# Altium PCB ETRX_RECU.PcbDoc
Units mm, origin at the board's own origin, x right, y up, seen from the top; angles counter-clockwise.
Board outline 155 x 55 mm, 4 copper layers (Top Layer, PWR, GND, Bottom Layer), stack 1.45 mm thick; 71 components, 51 nets, 291 pads, 379 vias.
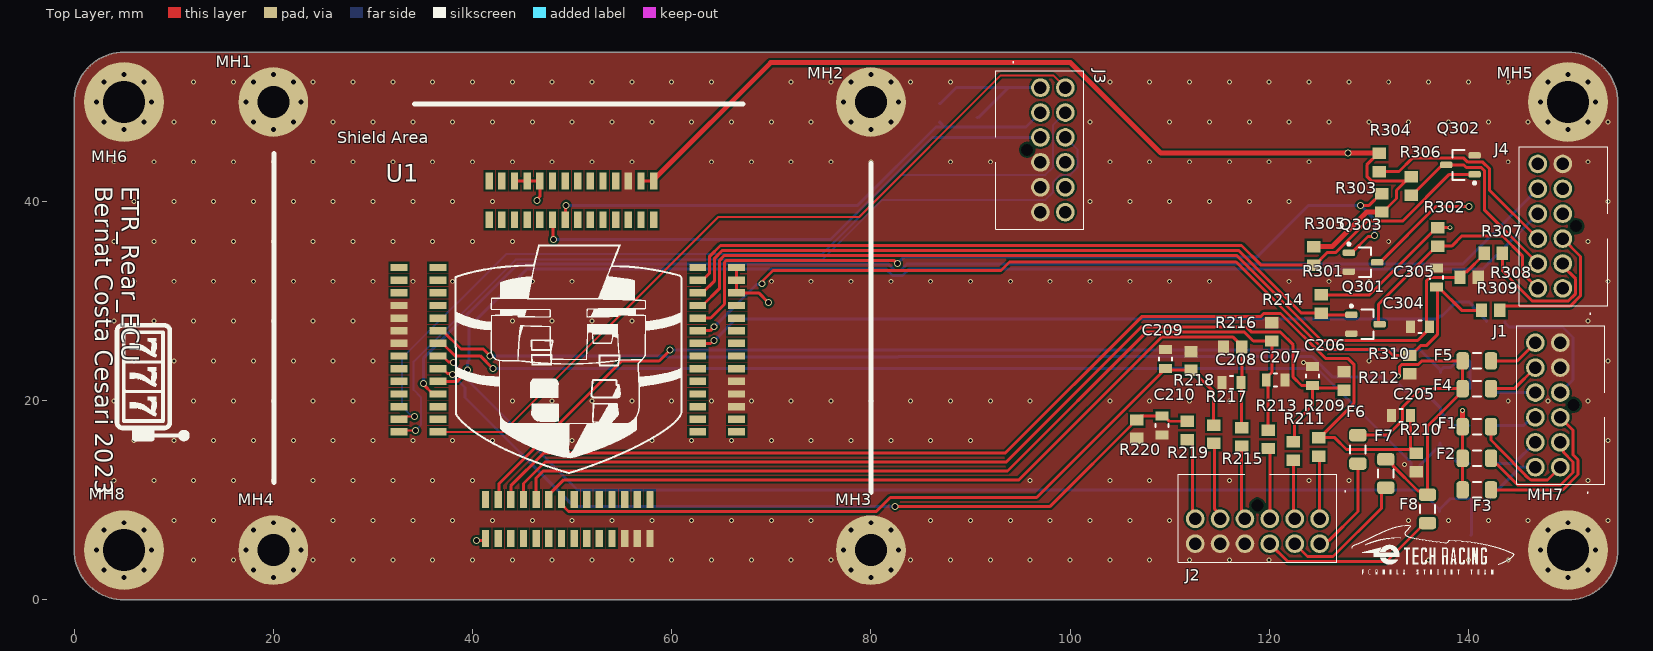
[diagram p0: Top Layer view]
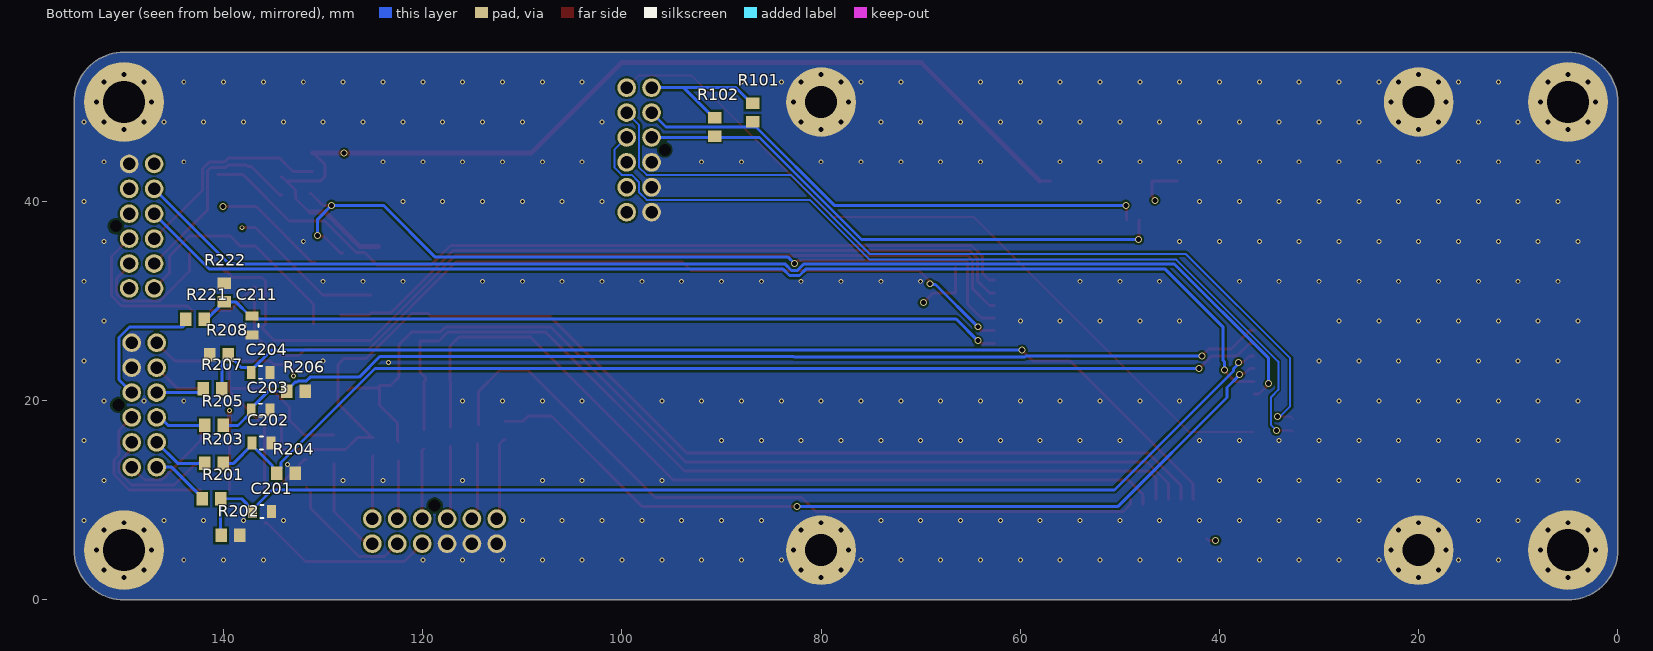
[diagram p1: Bottom Layer view, seen from below]
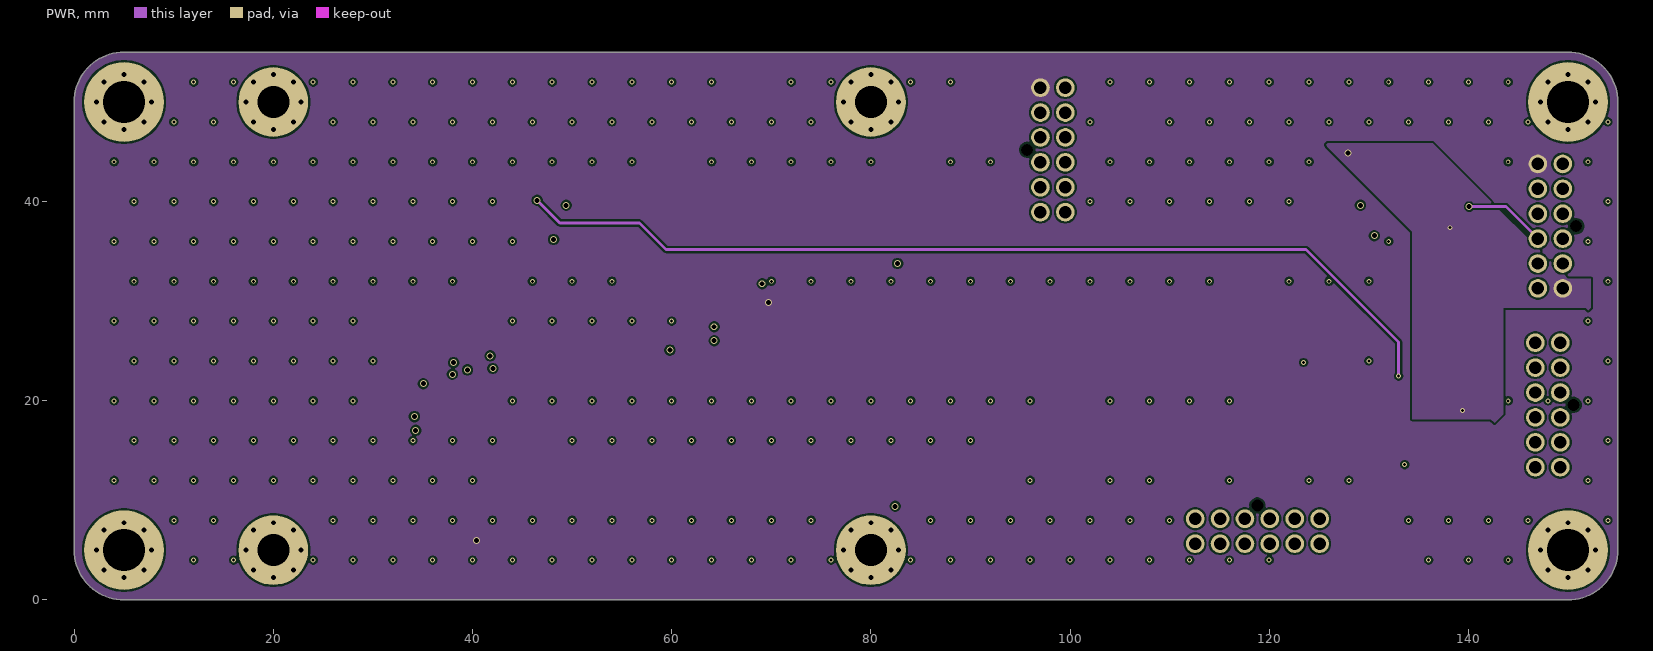
[diagram p2: PWR]
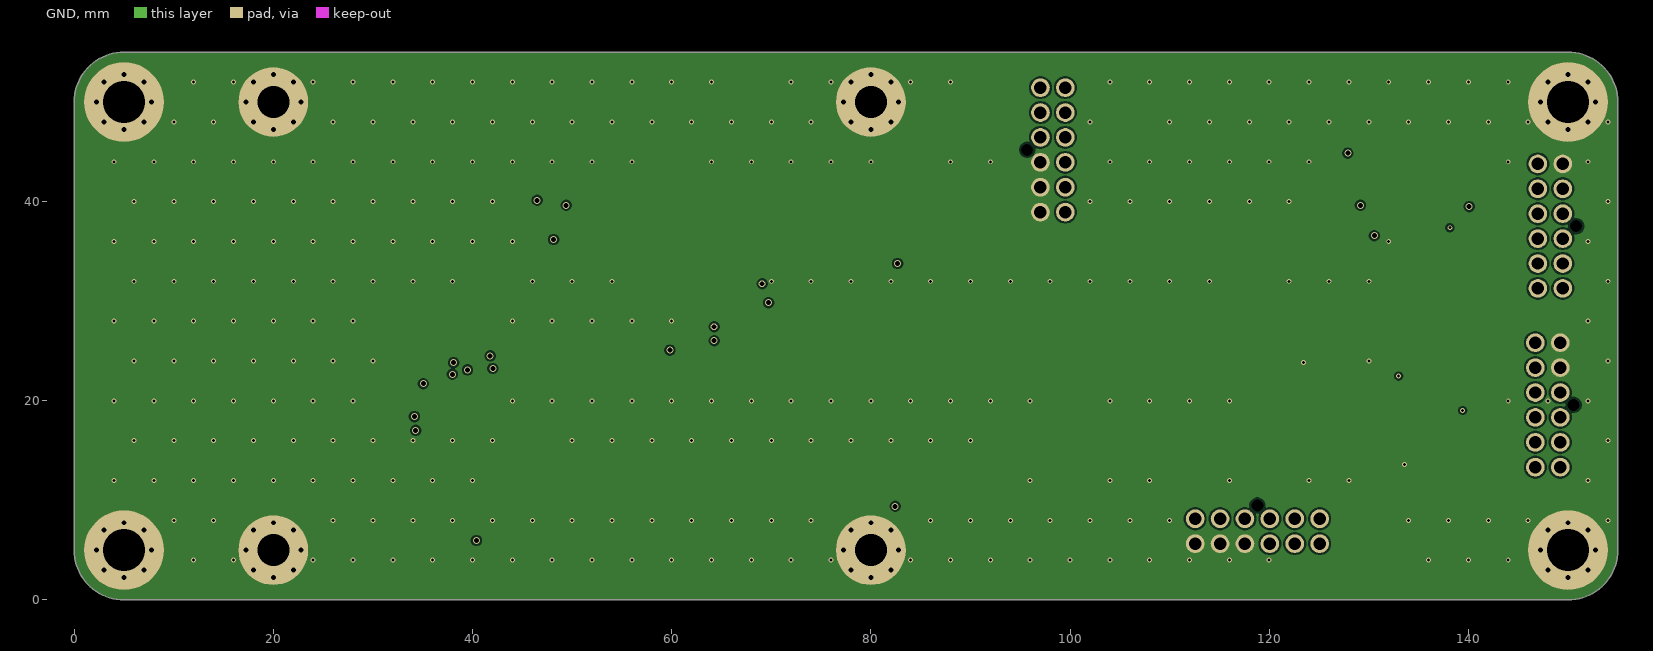
[diagram p3: GND]

## Layer stack, top to bottom
Top Solder: solder mask 0.01, Solder Resist, Dk 3.5
Top Layer: signal copper 0.035
Dielectric 2: prepreg 0.1, PP-006, Dk 4.1
PWR: signal copper 0.02
Dielectric 4: prepreg 0.07, PP-006, Dk 4.1
Dielectric 1: dielectric 1, FR-4, Dk 4.8
Dielectric 5: prepreg 0.07, PP-006, Dk 4.1
GND: signal copper 0.02
Dielectric 3: prepreg 0.1, PP-006, Dk 4.1
Bottom Layer: signal copper 0.035
Bottom Solder: solder mask 0.01, Solder Resist, Dk 3.5

## Board outline
5,0 cw(c5,5) 0,5 0,50 cw(c5,50) 5,55 150,55 cw(c150,50) 155,50 155,5 cw(c150,5) 150,0

## Design rules (kind name [scope] priority, off if disabled: settings)
Clearance [All] p1: gap=0.2 ignorepadtopadclearanceinfootprint=FALSE
HoleSize [All] p1: absolutevalues=TRUE maxlimit=2.54 minlimit=0.3 maxpercent=80.000 minpercent=20.000
PlaneClearance [All] p1: clearance=0.5
PlaneConnect [All] p1: planeconnectstyle=Direct reliefexpansion=0.508 reliefentries=4 reliefconductorwidth=0.254 reliefairgap=0.254
PolygonConnect [All] p1: connectstyle=Direct reliefconductorwidth=0.254 reliefentries=4 polygonreliefangle="90 Angle" airgapwidth=0.254
RoutingVias [All] p1: holewidth=0.3 width=0.5 viastyle="Through Hole" minholewidth=0.2 minwidth=0.3 maxholewidth=0.5 maxwidth=0.7
SolderMaskExpansion [All] p1: expansion=0.102 istentingtop=FALSE
Width [All] p1: maxlimit=1 minlimit=0.2 preferedwidth=0.3 minimp=50.000000 maximp=50.000000 favimp=50.000000
27 further rules are at their usual default settings.

## Classes and differential pairs
component class ETRX_RECU: F1 F2 F3 F4 F5 F6 F7 F8 J1 J2 J3 J4 MH1 MH2 MH3 MH4 MH5 MH6 MH7 MH8
component class [3]Power: C304 C305 Q301 Q302 Q303 R301 R302 R303 R304 R305 R306 R307 R308 R309 R310
component class [2]Sensors: C201 C202 C203 C204 C205 C206 C207 C208 C209 C210 C211 R201 R202 R203 R204 R205 R206 R207 R208 R209 R210 R211 R212 R213 R214 R215 R216 R217 R218 R219 R220 R221 R222
component class [1]Shield: R101 R102 U1

## Components (designator, comment, footprint, x,y, rotation, side; value= is the part's Value field where it differs from the comment)
C201 "885012207103" C0805FNPC-R 136.144,8.89 r180 bottom
C202 "885012207103" C0805FNPC-R 136.21,15.748 r180 bottom
C203 "885012207103" C0805FNPC-R 136.271,19.05 r180 bottom
C204 "885012207103" C0805FNPC-R 136.271,22.86 r180 bottom
C205 "885012207098" C0805FNPC-R 133.223,18.542 r180 top
C206 "885012207098" C0805FNPC-R 124.333,22.479 r90 top
C207 "885012207098" C0805FNPC-R 120.65,22.098 r0 top
C208 "885012207098" C0805FNPC-R 116.205,21.844 r180 top
C209 "885012207098" C0805FNPC-R 109.601,24.196 r90 top
C210 "885012207098" C0805FNPC-R 109.22,17.526 r270 top
C211 "885012207103" C0805FNPC-R 137.16,27.559 r270 bottom
C304 "885012207103" C0805FNPC-R 135.128,27.432 r180 top
C305 "885012207103" C0805FNPC-R 136.779,32.385 r90 top
F1 "0437001.WRA" Fuse_1206 140.843,17.399 r0 top
F2 "0437001.WRA" Fuse_1206 140.843,14.224 r0 top
F3 "0437001.WRA" Fuse_1206 140.843,11.049 r0 top
F4 "0437001.WRA" Fuse_1206 140.843,21.209 r180 top
F5 "0437001.WRA" Fuse_1206 140.843,24.003 r180 top
F6 "0437001.WRA" Fuse_1206 128.905,15.113 r90 top
F7 "0437001.WRA" Fuse_1206 131.699,12.7 r90 top
F8 "0437001.WRA" Fuse_1206 135.89,9.144 r90 top
J1 "1053101112" J_NanoFit_2x6_V 149.225,13.328 r270 top
J2 "1053101112" J_NanoFit_2x6_V 125.062,8.15 r0 top
J3 "1053101112" J_NanoFit_2x6_V 97.028,51.442 r90 top
J4 "1053101112" J_NanoFit_2x6_V 149.479,31.282 r270 top
MH1 "Mounting_Hole_M3" Mounting_Hole_M3 20,50 r0 top
MH2 "Mounting_Hole_M3" Mounting_Hole_M3 80,50 r0 top
MH3 "Mounting_Hole_M3" Mounting_Hole_M3 80,5 r0 top
MH4 "Mounting_Hole_M3" Mounting_Hole_M3 20,5 r0 top
MH5 "Mounting_Hole_M4" Mounting_Hole_M4 150,50 r0 top
MH6 "Mounting_Hole_M4" Mounting_Hole_M4 5,50 r0 top
MH7 "Mounting_Hole_M4" Mounting_Hole_M4 150,5 r0 top
MH8 "Mounting_Hole_M4" Mounting_Hole_M4 5,5 r0 top
Q301 "CPH3455-TL-H" TRT-NCH-3/35-CPH 129.667,27.686 r0 top
Q302 "CPH3455-TL-H" TRT-NCH-3/35-CPH 139.192,43.688 r180 top
Q303 "CPH3455-TL-H" TRT-NCH-3/35-CPH 129.413,33.909 r0 top
R101 "CR0805-JW-103ELF" R0805FTK 86.868,48.931 r90 bottom
R102 "CR0805-JW-103ELF" R0805FTK 90.678,47.498 r90 bottom
R201 "CR0805-JW-102ELF" R0805FTK 141.224,10.16 r0 bottom
R202 "1k96" R0805FTK 139.319,6.477 r0 bottom
R203 "CR0805-JW-102ELF" R0805FTK 140.97,13.716 r0 bottom
R204 "1k96" R0805FTK 133.731,12.7 r0 bottom
R205 "CR0805-JW-102ELF" R0805FTK 140.97,17.526 r0 bottom
R206 "1k96" R0805FTK 132.715,20.955 r0 bottom
R207 "CR0805-JW-102ELF" R0805FTK 141.097,21.209 r0 bottom
R208 "1k96" R0805FTK 140.462,24.638 r180 bottom
R209 "12k5" R0805FTK 124.968,15.367 r90 top
R210 "2k" R0805FTK 134.747,13.807 r270 top
R211 "12k5" R0805FTK 122.428,14.95 r90 top
R212 "2k" R0805FTK 127.508,21.971 r90 top
R213 "12k5" R0805FTK 119.888,16.129 r90 top
R214 "2k" R0805FTK 120.269,26.924 r90 top
R215 "12k5" R0805FTK 117.221,16.383 r90 top
R216 "2k" R0805FTK 116.332,25.4 r180 top
R217 "12k5" R0805FTK 114.427,16.637 r90 top
R218 "2k" R0805FTK 112.141,24.003 r90 top
R219 "12k5" R0805FTK 111.76,17.018 r90 top
R220 "2k" R0805FTK 106.68,17.145 r270 top
R221 "CR0805-JW-102ELF" R0805FTK 142.875,28.194 r0 bottom
R222 "1k96" R0805FTK 139.954,30.861 r270 bottom
R301 "CR0805-JW-103ELF" R0805FTK 125.222,29.718 r270 top
R302 "CR0805-JW-103ELF" R0805FTK 136.906,36.449 r270 top
R303 "CR0805-JW-103ELF" R0805FTK 131.318,39.878 r90 top
R304 "CR0805-JW-103ELF" R0805FTK 131.064,43.942 r270 top
R305 "CR0805-JW-103ELF" R0805FTK 124.46,34.544 r270 top
R306 "CR0805-JW-103ELF" R0805FTK 134.239,41.565 r270 top
R307 "CR0805-JW-102ELF" R0805FTK 142.494,34.798 r0 top
R308 "1k96" R0805FTK 140.081,32.385 r180 top
R309 "CR0805-JW-102ELF" R0805FTK 142.24,29.083 r0 top
R310 "1k96" R0805FTK 134.112,23.622 r90 top
U1 "ETR_SHIELD_III" ETR_SHIELD_III 14.561,0.127 r0 top locked

## Footprints (in the part's own frame and the unit in brackets; to place one, negate y for a bottom-side part, rotate by r counter-clockwise, add the part's x,y. Pads: shape width x height; smd on the part's side, far side on the other; paste and mask are expansions set on the pad)
C0805FNPC-R [mm]
  rect 0.9x1.3 smd: 1(-0.95,0) 2(0.95,0)
  silkscreen extent -0.15,-0.65 0.15,0.65, body extent -1.03,-0.63 0.97,0.63, height 0.96
ETR_SHIELD_III [mm]
  rect 1.7x0.74 smd: 3V3_1(18.05,20.555) 3V3_2(18.05,21.825) 3V3_3(18.05,23.095) 3V3_5(51.95,33.255) 3V3_6(51.95,31.985) 3V3_7(51.95,30.715) 5V_3(51.95,24.365) 5V_4(51.95,23.095) 5V_5(51.95,25.635) CAN2H(51.95,16.745) CAN2L(51.95,18.015) GND_1(18.05,25.635) GND_2(18.05,26.905) GND_3(18.05,28.175) GND_4(18.05,29.445) GND_8(51.95,19.285) GND_9(51.95,20.555) GND_10(51.95,21.825) NC_1(18.05,19.285) NC_2(18.05,24.365) NC_9(51.95,28.175) NC_10(51.95,26.905) PA0(21.95,23.095) PA1(21.95,21.825) PA2(21.95,20.555) PA3(21.95,19.285) PA4(21.95,18.015) PA5(21.95,16.745) PA6(18.05,18.015) PA7(18.05,16.745) PA8(48.05,31.985) PA9(48.05,33.255) PA10(51.95,29.445) PB15(48.05,16.745) PB15(48.05,18.015) PC0(21.95,28.175) PC1(21.95,26.905) PC2(21.95,25.635) PC3(21.95,24.365) PC6(48.05,26.905) PC7(48.05,28.175) PC8(48.05,29.445) PC9(48.05,30.715) PC13(21.95,30.715) PC14(21.95,29.445) PC15(18.05,30.715) PD8(48.05,19.285) PD9(48.05,20.555) PD10(48.05,21.825) PD11(48.05,23.095) PD14(48.05,24.365) PD15(48.05,25.635) PE2(21.95,33.255) PE3(18.05,33.255) PE5(21.95,31.985) PE6(18.05,31.985)
  rect 0.74x1.7 smd: 3V3_4(26.745,6.05) 5V_1(34.365,6.05) 5V_2(35.635,6.05) 5V_6(42.354,41.95) 5V_7(43.624,41.95) CAN1H(27.114,41.95) CAN1L(28.384,41.95) GND_5(40.715,6.05) GND_6(41.985,6.05) GND_7(43.255,6.05) GND_11(41.084,41.95) LVtr_2(29.654,41.95) LVtr_3(30.924,41.95) LVtr_4(32.194,41.95) NC_3(30.555,6.05) NC_4(31.825,6.05) NC_5(33.095,6.05) NC_6(36.905,6.05) NC_7(38.175,6.05) NC_8(39.445,6.05) NC_13(27.114,38.05) PA15(43.624,38.05) PB0(26.745,9.95) PB1(28.015,9.95) PB2(29.285,9.95) PB3(38.544,38.05) PB4(37.274,38.05) PB5(36.004,38.05) PB6(34.734,38.05) PB7(33.464,38.05) PB8(32.194,38.05) PB9(30.924,38.05) PB10(41.985,9.95) PB11(43.255,9.95) PC4(28.015,6.05) PC5(29.285,6.05) PC10(42.354,38.05) PC11(41.084,38.05) PC12(39.814,38.05) PD2(39.814,41.95) PD3(38.544,41.95) PD4(37.274,41.95) PD5(36.004,41.95) PD6(34.734,41.95) PD7(33.464,41.95) PE0(29.654,38.05) PE1(28.384,38.05) PE7(30.555,9.95) PE8(31.825,9.95) PE9(33.095,9.95) PE10(34.365,9.95) PE11(35.635,9.95) PE12(36.905,9.95) PE13(38.175,9.95) PE14(39.445,9.95) PE15(40.715,9.95)
  silkscreen extent 23.65,12.55 46.49,35.52, body extent 0,0 70,55, height 18.7
Fuse_1206 [mm] "Chip Resistor, 2-Leads, Body 3,20x1,58mm, IPC Medium Density"
  rrect50% 1.25x1.75 smd: 1(-1.425,0) 2(1.425,0)
  silkscreen extent -0.4,-0.77 0.4,0.77, body extent -1.6,-0.79 1.6,0.79, height 0.86
J_NanoFit_2x6_V [mm]
  round 1.875 hole 1.25: 1(0,0) 2(-2.5,0) 3(-5,0) 4(-7.5,0) 5(-10,0) 6(-12.5,0) 7(0,-2.5) 8(-2.5,-2.5) 9(-5,-2.5) 10(-7.5,-2.5) 11(-10,-2.5) 12(-12.5,-2.5)
  round 0.675 hole 1.2 unplated: MH1(-6.25,1.34)
  silkscreen extent -14.22,-4.35 2.6,4.49, body extent -14.19,-4.26 1.75,4.58, height 10.68
Mounting_Hole_M3 [mm]
  round 7 hole 3.2: 1(0,0)
Mounting_Hole_M4 [mm]
  round 8 hole 4.2: 1(0,0)
R0805FTK [mm] "Chip Resistor, 2-Leads, Body 2,00x1,25mm, IPC Medium Density"
  rect 1.15x1.35 smd: 1(-0.925,0) 2(0.925,0)
  body extent -1,-0.63 1,0.63, height 0.65
TRT-NCH-3/35-CPH [mm] "SOT23, 3-Leads, Body 2,90x2,80mm, Pitch 0,95mm, IPC Low Density"
  rrect50% 1.25x0.65 smd: D(1.425,0) G(-1.425,0.95) S(-1.425,-0.95)
  silkscreen extent -1.55,-1.5 0.8,1.95, body extent -1.4,-1.45 1.4,1.45, height 1.06

## Part data
C201 C202 C203 C204 C211 C304 C305: library part C1u-50V-0805FNPC-X7R, "Multilayer Ceramic Capacitor, Wcap-Csgp Series, 1 F, 10%, X7R, 50 V, 0805 [2012 Metric] Rohs Compliant: Yes", Capacitance=1uF, Case Code (Imperial)=0805, Case Code (Metric)=2012, Dielectric=X7R, Manufacturer 1="Wurth Electronics", Max Operating Temperature=85°C, Min Operating Temperature=-55°C, Supplier Part Number 1=1813523, Tolerance=10%, Voltage Rating=50V, .Creator=GP, Case/Package=0805, Category="Ceramic Capacitors", ComponentLink1Description=http://www.farnell.com/datasheets/1958501.pdf?src-supplier=Farnell, ComponentLink1URL=http://www.farnell.com/datasheets/1958501.pdf?src-supplier=Farnell, ComponentLink2Description=http://www.farnell.com/datasheets/1958501.pdf?src-supplier=Element14, ComponentLink2URL=http://www.farnell.com/datasheets/1958501.pdf?src-supplier=Element14, ComponentLink3Description=https://katalog.we-online.de/pbs/datasheet/885012107003.pdf?src-supplier=Digi-Key, ComponentLink3URL=https://katalog.we-online.de/pbs/datasheet/885012107003.pdf?src-supplier=Digi-Key, ComponentLink4Description=http://www.farnell.com/datasheets/1958501.pdf?src-supplier=Newark, ComponentLink4URL=http://www.farnell.com/datasheets/1958501.pdf?src-supplier=Newark, Length=0.079inch, Manufacturer Part Number 1=885012207103, Mount="Surface Mount", Packaging="Cut Tape", Pricing 1="50=0,27200, 250=0,25300, 500=0,22800, 1250=0,20100, 2500=0,17100 (GBP)", REACH SVHC=Unknown, RoHS=Yes, RoHS Compliant=Yes, Stock 1=5100, Supplier 1=RSComponents, Thickness=0.053inch, Voltage Rating (DC)=50V, Width=0.049inch
C205 C206 C207 C208 C209 C210: library part C100n-50V-0805FNPC-X7R, "Cap, 0.1ΜF, 50V, 10%, X7R, 0805", Capacitance=100nF, Case Code (Imperial)=0805, Case Code (Metric)=2012, Dielectric=X7R, Manufacturer 1="Wurth Electronics", Max Operating Temperature=125°C, Min Operating Temperature=-55°C, Supplier Part Number 1=1813493, Tolerance=10%, Voltage Rating=50V, .Creator=DR, Case/Package=0805, Category="Ceramic Capacitors", ComponentLink1Description=http://www.farnell.com/datasheets/1958498.pdf?src-supplier=Farnell, ComponentLink1URL=http://www.farnell.com/datasheets/1958498.pdf?src-supplier=Farnell, ComponentLink2Description=http://www.farnell.com/datasheets/1958498.pdf?src-supplier=Element14, ComponentLink2URL=http://www.farnell.com/datasheets/1958498.pdf?src-supplier=Element14, ComponentLink3Description=https://katalog.we-online.de/pbs/datasheet/885012207098.pdf?src-supplier=Digi-Key, ComponentLink3URL=https://katalog.we-online.de/pbs/datasheet/885012207098.pdf?src-supplier=Digi-Key, ComponentLink4Description=http://www.farnell.com/datasheets/1958498.pdf?src-supplier=Newark, ComponentLink4URL=http://www.farnell.com/datasheets/1958498.pdf?src-supplier=Newark, Length=0.079inch, Manufacturer Part Number 1=885012207098, Mount="Surface Mount", Packaging="Cut Tape", Pricing 1="100=0,10200, 500=0,07100, 2000=0,06100 (GBP)", REACH SVHC=Unknown, RoHS=Yes, RoHS Compliant=Yes, Stock 1=8000, Supplier 1=RSComponents, Thickness=0.035inch, Voltage Rating (DC)=50V, Width=0.049inch
F1 F2 F3 F4 F5 F6 F7 F8: library part Fuse_1A_63V_1206, "Fuse Chip Fast Acting 1A 63V SMD Solder Pad 1206 Ceramic T/R Automotive", Case Code (Imperial)=1206, Case Code (Metric)=3216, Current Rating=1A, Manufacturer=Littelfuse, Max Operating Temperature=150°C, Min Operating Temperature=-55°C, Supplier Part Number 1=F10001CT-ND, Voltage Rating (AC)=63V, .Creator=DO, Approvals=CSA,cURus, Case/Package=1206, Category=Fuses, ComponentLink1Description=https://www.littelfuse.com/~/media/electronics/datasheets/fuses/littelfuse_fuse_437a_datasheet.pdf.pdf?src-supplier=Digi-Key, ComponentLink1URL=https://www.littelfuse.com/~/media/electronics/datasheets/fuses/littelfuse_fuse_437a_datasheet.pdf.pdf?src-supplier=Digi-Key, ComponentLink2Description="Where buy it", ComponentLink2URL=https://www.mouser.es/ProductDetail/Littelfuse/0437001WRA?qs=DXv0QSHKF4z9CJhPXjxR%252BA%3D%3D, Fuse Type="Board Mount (Cartridge Style Excluded)", Manufacturer Part Number=0437001.WRA, Mount="Surface Mount", Packaging="Tape and Reel", Pricing 1="1=1,52000, 5=1,47000, 10=1,37600, 50=1,13860, 100=0,94880, 250=0,92508, 500=0,78276, 1000=0,68788 (USD)", RoHS=Yes, Stock 1=5820, Supplier 1=Digi-Key, Voltage Rating (DC)=63V
J1 J2 J3 J4: library part J_NanoFit_2x6_V, "Nano-Fit Vertical Header, Through Hole, 2.50mm Pitch, Dual Row, 12 Circuits, with Kinked Pins, Tin (Sn) Plating, Black, Glow-Wire Capable, Tray"
Q301 Q302 Q303: library part TRT-NCH-3/35-CPH, "CPH3455-TL-H N-channel MOSFET Transistor; 3 A; 35 V; 3-Pin CPH", Case/Package=SC, Continuous Drain Current (ID)=3A, Drain to Source Breakdown Voltage=35V, Drain to Source Resistance=108mR, Gate to Source Voltage (Vgs)=20V, Input Capacitance=186pF, Manufacturer="ON Semiconductor", Max Operating Temperature=150°C, Max Power Dissipation=1W, Min Operating Temperature=-55°C, Package Quantity=3000, Supplier Part Number 1=8009989, .Creator=GP, Category=Transistor, ComponentLink1Description=Datasheet, ComponentLink1URL=https://docs.rs-online.com/5847/0900766b812d514d.pdf, ComponentLink2Description="Where buy it", ComponentLink2URL=https://es.rs-online.com/web/p/mosfet/8009989, ComponentLink3Description=https://datasheet.ciiva.com/947/cph3455-d-947201.pdf?src-supplier=Digi-Key, ComponentLink3URL=https://datasheet.ciiva.com/947/cph3455-d-947201.pdf?src-supplier=Digi-Key, ComponentLink4Description=https://datasheet.ciiva.com/4444/cph3455-d-91653-4444616.pdf?src-supplier=Mouser, ComponentLink4URL=https://datasheet.ciiva.com/4444/cph3455-d-91653-4444616.pdf?src-supplier=Mouser, ComponentLink5Description=https://datasheet.ciiva.com/11164/cph3455-d-11164889.pdf?src-supplier=Avnet, ComponentLink5URL=https://datasheet.ciiva.com/11164/cph3455-d-11164889.pdf?src-supplier=Avnet, Drain to Source Voltage (Vdss)=35V, Element Configuration=Single, Fall Time=5.7ns, Halogen Free="Halogen Free", Height=0.9mm, Lead Free="Lead Free", Length=2.9mm, Manufacturer Part Number=CPH3455-TL-H, Number of Pins=3, Packaging="Tape and Reel", Polarity=N-CHANNEL, Power Dissipation=1W, Pricing 1="50=0,50400 (USD)", Rds On Max=104mR, Rise Time=4.7ns, RoHS=Yes, RoHS Compliant=Yes, Series=-, Stock 1=1, Supplier 1=RSComponents, Turn-Off Delay Time=15ns, Turn-On Delay Time=4.2ns, Width=1.6mm
R101 R102 R301 R302 R303 R304 R305 R306: library part R10k-0805FTK, "BOURNS         CR0805-JW-103ELF            Surface Mount Chip Resistor, Thick Film, CR Series, 10 kohm, 125 mW,  5%, 150 V", Case Code (Imperial)=0805, Case Code (Metric)=2012, Manufacturer 1=Bourns, Max Operating Temperature=155°C, Max Power Dissipation=125mW, Min Operating Temperature=-55°C, Package Quantity=1, Resistance=10kR, Resistance Tolerance=5%, Resistor Type="Thick Film", Temperature Coefficient=200ppm/°C, Voltage Rating=150V, Voltage Rating (DC)=100V, .Creator=DR, Case/Package=0805, Category="Chip SMD Resistors", ComponentLink1Description=https://datasheet.ciiva.com/11821/0900766b80fcdb72-11821135.pdf?src-supplier=RSComponents, ComponentLink1URL=https://datasheet.ciiva.com/11821/0900766b80fcdb72-11821135.pdf?src-supplier=RSComponents, ComponentLink2Description=https://datasheet.ciiva.com/9122/chpreztr-9122374.pdf?src-supplier=Avnet, ComponentLink2URL=https://datasheet.ciiva.com/9122/chpreztr-9122374.pdf?src-supplier=Avnet, ComponentLink3Description=https://datasheet.ciiva.com/22693/1902866-22693254.pdf?src-supplier=Element14, ComponentLink3URL=https://datasheet.ciiva.com/22693/1902866-22693254.pdf?src-supplier=Element14, ComponentLink4Description=https://datasheet.ciiva.com/7986/691949-7986187.pdf?src-supplier=Element14, ComponentLink4URL=https://datasheet.ciiva.com/7986/691949-7986187.pdf?src-supplier=Element14, ComponentLink5Description=https://datasheet.ciiva.com/30065/159chpreztr-30065976.pdf?src-supplier=Onlinecomponents.com, ComponentLink5URL=https://datasheet.ciiva.com/30065/159chpreztr-30065976.pdf?src-supplier=Onlinecomponents.com, ComponentLink6Description=https://datasheet.ciiva.com/16783/70154685-16783482.pdf?src-supplier=Allied+Electronics, ComponentLink6URL=https://datasheet.ciiva.com/16783/70154685-16783482.pdf?src-supplier=Allied+Electronics, ComponentLink7Description=https://datasheet.ciiva.com/5548/chpreztr-5548491.pdf?src-supplier=Mouser, ComponentLink7URL=https://datasheet.ciiva.com/5548/chpreztr-5548491.pdf?src-supplier=Mouser, ComponentLink8Description=https://datasheet.ciiva.com/6559/chpreztr-6559900.pdf?src-supplier=Digi-Key, ComponentLink8URL=https://datasheet.ciiva.com/6559/chpreztr-6559900.pdf?src-supplier=Digi-Key, ComponentLink9Description=https://datasheet.ciiva.com/6559/chpreztr-6559901.pdf?src-supplier=Digi-Key, ComponentLink9URL=https://datasheet.ciiva.com/6559/chpreztr-6559901.pdf?src-supplier=Digi-Key, ComponentLink10Description=https://datasheet.ciiva.com/7985/1856384-7985869.pdf?src-supplier=Element14, ComponentLink10URL=https://datasheet.ciiva.com/7985/1856384-7985869.pdf?src-supplier=Element14, ComponentLink11Description=https://datasheet.ciiva.com/48692/001055517-da-01-en-smd-wid-cr0805-jw-103elf-10k-ohm-1-8w-48692118.pdf?src-supplier=Conrad, ComponentLink11URL=https://datasheet.ciiva.com/48692/001055517-da-01-en-smd-wid-cr0805-jw-103elf-10k-ohm-1-8w-48692118.pdf?src-supplier=Conrad, Construction=Rectangular, Contact Plating=Tin, Depth=1.25mm, Features="Moisture Resistant", Height=0.5mm, Length=2mm, Manufacturer Part Number 1=CR0805-JW-103ELF, Military Standard=Not, Mount="Surface Mount", Number of Pins=2, Number of Terminations=2, Packaging="Tape and Reel", Power Rating=125mW, Pricing 1="1=0,05790, 10=0,01540, 25=0,01340, 100=0,00340 (USD)", Radiation Hardening=No, REACH SVHC="No SVHC", RoHS=Yes, RoHS Compliant=Yes, Series=CR0805, Stock 1=57566, Supplier 1="Arrow Electronics", Supplier Part Number 1=CR0805-JW-103ELF, Technology="THICK FILM", Termination=SMD/SMT, Thickness=508um, Tolerance=5%, Width=1.25mm
R201 R203 R205 R207 R221 R307 R309: library part R1k-0805FTK, "Res Thick Film 0805 1K Ohm 5% 1/8W ±200ppm/°C Molded SMD SMD Paper Tape on Plastic Reel", Case Code (Imperial)=0805, Case Code (Metric)=2012, Manufacturer 1=Bourns, Max Operating Temperature=155°C, Max Power Dissipation=125mW, Min Operating Temperature=-55°C, Package Quantity=1, Resistance=1kR, Resistor Type="Thick Film", Temperature Coefficient=200ppm/°C, Tolerance=5%, Voltage Rating=150V, .Creator=GP, Case/Package=0805, Category="Chip SMD Resistors", ComponentLink1Description=https://datasheet.ciiva.com/11821/0900766b80fcdb72-11821134.pdf?src-supplier=RSComponents, ComponentLink1URL=https://datasheet.ciiva.com/11821/0900766b80fcdb72-11821134.pdf?src-supplier=RSComponents, ComponentLink2Description=https://datasheet.ciiva.com/15225/getdatasheetpartid-78155-15225381.pdf?src-supplier=Verical, ComponentLink2URL=https://datasheet.ciiva.com/15225/getdatasheetpartid-78155-15225381.pdf?src-supplier=Verical, ComponentLink3Description=https://datasheet.ciiva.com/22693/1902866-22693253.pdf?src-supplier=Element14, ComponentLink3URL=https://datasheet.ciiva.com/22693/1902866-22693253.pdf?src-supplier=Element14, ComponentLink4Description=https://datasheet.ciiva.com/7986/1856384-7986184.pdf?src-supplier=Element14, ComponentLink4URL=https://datasheet.ciiva.com/7986/1856384-7986184.pdf?src-supplier=Element14, ComponentLink5Description=https://datasheet.ciiva.com/7985/1856384-7985867.pdf?src-supplier=Element14, ComponentLink5URL=https://datasheet.ciiva.com/7985/1856384-7985867.pdf?src-supplier=Element14, ComponentLink6Description=https://datasheet.ciiva.com/30242/159chpreztr-30242765.pdf?src-supplier=Onlinecomponents.com, ComponentLink6URL=https://datasheet.ciiva.com/30242/159chpreztr-30242765.pdf?src-supplier=Onlinecomponents.com, ComponentLink7Description=https://datasheet.ciiva.com/6547/chpreztr-6547359.pdf?src-supplier=Digi-Key, ComponentLink7URL=https://datasheet.ciiva.com/6547/chpreztr-6547359.pdf?src-supplier=Digi-Key, Contact Plating=Tin, Depth=1.25mm, Features="Moisture Resistant", Height=0.5mm, Lead Free="Lead Free", Length=2mm, Manufacturer Part Number 1=CR0805-JW-102ELF, Military Standard=Not, Mount="Surface Mount", Number of Pins=2, Number of Terminations=2, Packaging="Tape and Reel", Power Rating=125mW, Pricing 1="1=0,05930, 10=0,03510, 25=0,01790, 100=0,00800, 250=0,00790, 500=0,00590, 1000=0,00360, 3000=0,00350, 6000=0,00250 (USD)", Radiation Hardening=No, REACH SVHC="No SVHC", RoHS=Yes, Stock 1=27510, Supplier 1="Arrow Electronics", Supplier Part Number 1=CR0805-JW-102ELF, Termination=SMD/SMT, Thickness=508um, Voltage Rating (DC)=150V, Width=1.25mm
R202 R204 R206 R208 R222 R308 R310: library part R1k96-0805FTK
R209 R211 R213 R215 R217 R219: library part R12k5-0805FTK
R210 R212 R214 R216 R218 R220: library part R2k-0805FTK
U1: library part ETR_Shield_III

## Via types
v1: diameter 0.5, hole 0.3, Top Layer to Bottom Layer, 292 vias
v2: diameter 0.7, hole 0.5, Top Layer to Bottom Layer, 87 vias

## Nets (pads, with @x,y where several pads share a name; then routed paths per layer and width w, separated by ;. In a path a pad name is that pad's centre, name@x,y a point inside that pad or via, vN(x,y) a via of type N, cw(c..) or ccw(c..) an arc to the next point about the centre after c; other vN are vias at no path point)
+3.3: J3.1 J4.12 R101.2 R102.2 U1.3V3_4 U1.3V3_5 U1.3V3_6 U1.3V3_7 | length 22.4
  Top Layer w0.3: v2(40.386,5.969) 41.098,5.969 U1.3V3_4 ; U1.3V3_5 U1.3V3_6 U1.3V3_7 68.726,30.842 v2(69.723,29.845)
  Bottom Layer w0.3: R101.2 86.968,49.856 88.554,51.442 93.797,51.442 ; R102.2 90.778,48.423 93.797,51.442 ; J3.1 93.797,51.442
+5: F1.1 F2.1 F3.1 J4.1 R301.1 R302.1 R303.1 R304.1 R305.1 R306.1 U1.5V_6 U1.5V_7 | length 126.7
  Top Layer w0.3: U1.5V_6 58.066,42.077 U1.5V_7 ; R301.1 130.075,30.643 136.806,37.374 R302.1 v1(138.14,37.374) ; R304.1@130.964,44.867 129.794,43.697 129.794,42.542 130.244,42.092 R306.1@133.741,42.092 ; R303.1 131.418,38.953 132.779,40.314 132.779,41.129 R306.1@133.741,42.092 ; R306.1 134.139,42.49 R306.1@133.741,42.092 ; F3.1 F2.1 F1.1
  Top Layer w0.5: U1.5V_7@58.066,42.077 69.939,53.95 100.04,53.95 109.123,44.867 v2(127.889,44.867) 130.964,44.867 R304.1 ; R305.1 126.31,35.469 129.794,38.953 R303.1 ; F1.1 v1(139.418,19.022)
ACCU_FANS_PWM: Q301.G R301.2 U1.PC9 | length 71.4
  Top Layer w0.3: U1.PC9 63.091,30.842 64.311,32.062 64.311,34.311 65.102,35.102 116.917,35.102 123.19,28.829 125.186,28.829 R301.2 125.379,28.636 Q301.G
ACCU_FANS_RPM: C304.1 R307.1 R308.2 U1.PC8 | length 93.2
  Top Layer w0.3: U1.PC8 63.091,29.572 64.811,31.292 64.811,34.104 65.309,34.602 116.71,34.602 125.251,26.061 134.907,26.061 136.078,27.232 C304.1 135.779,27.731 135.779,32.03 136.134,32.385 R308.2 139.156,32.485 139.581,32.91 139.781,32.91 141.569,34.698 R307.1
BL_Control: J4.10 U1.PA1 | length 120.5
  Top Layer w0.3: U1.PA1 38.462,21.952 39.493,22.983 v2(39.493,23.092)
  Bottom Layer w0.3: v2(39.493,23.092) 39.493,23.911 39.624,24.042 39.624,27.392 45.445,33.213 81.549,33.213 82.18,32.582 83.174,32.582 83.805,33.213 141.41,33.213 J4.10
BL_LEDs: J4.11 U1.PA2 | length 124
  Top Layer w0.3: v2(35.052,21.717) 35.052,21.661 36.031,20.682 U1.PA2
  Bottom Layer w0.3: v2(35.052,21.717) 35.052,24.257 44.508,33.713 81.756,33.713 82.387,33.082 82.967,33.082 83.598,33.713 139.41,33.713 J4.11
GND: C201.2 C202.2 C203.2 C204.2 C205.2 C206.2 C207.2 C208.2 C209.2 C210.2 C211.2 C304.2 C305.2 J1.5 J1.6 J2.10 J2.11 J2.12 J3.4 J3.5 J3.6 J4.6 MH1.1 MH2.1 MH3.1 MH4.1 MH5.1 MH6.1 MH7.1 MH8.1 Q301.S Q302.S Q303.S R202.1 R204.1 R206.1 R208.1 R210.2 R212.2 R214.2 R216.2 R218.2 R220.2 R222.1 R308.1 R310.1 U1.GND_1 U1.GND_2 U1.GND_3 U1.GND_4 U1.GND_5 U1.GND_6 U1.GND_7 U1.GND_8 U1.GND_9 U1.GND_10 U1.GND_11
  other v1: 12,4 16,4 24,4 28,4 32,4 36,4 40,4 44,4 48,4 52,4 56,4 60,4 64,4 68,4 72,4 76,4 84,4 88,4 92,4 96,4 100,4 104,4 108,4 112,4 116,4 120,4 136,4 140,4 144,4 10,8 14,8 26,8 30,8 34,8 38,8 42,8 46,8 50,8 54,8 58,8 62,8 66,8 70,8 74,8 86,8 90,8 94,8 98,8 102,8 106,8 110,8 134,8 138,8 142,8 146,8 154,8 4,12 8,12 12,12 16,12 20,12 24,12 28,12 32,12 36,12 40,12 96,12 104,12 108,12 116,12 124,12 128,12 152,12 133.604,13.589 6,16 10,16 14,16 18,16 22,16 26,16 30,16 34,16 38,16 42,16 50,16 54,16 58,16 62,16 66,16 70,16 74,16 78,16 82,16 86,16 90,16 154,16 4,20 8,20 12,20 16,20 20,20 24,20 28,20 44,20 48,20 52,20 56,20 60,20 64,20 68,20 72,20 76,20 80,20 84,20 88,20 92,20 96,20 104,20 108,20 112,20 116,20 144,20 148,20 152,20 123.444,23.841 6,24 10,24 14,24 18,24 22,24 26,24 30,24 130,24 154,24 4,28 8,28 12,28 16,28 20,28 24,28 28,28 44,28 48,28 52,28 56,28 60,28 152,28 6,32 10,32 14,32 18,32 22,32 26,32 30,32 34,32 38,32 46,32 50,32 54,32 70,32 74,32 78,32 82,32 86,32 90,32 94,32 98,32 102,32 106,32 110,32 114,32 122,32 126,32 130,32 154,32 4,36 8,36 12,36 16,36 20,36 24,36 28,36 32,36 36,36 40,36 44,36 132,36 152,36 6,40 10,40 14,40 18,40 22,40 26,40 30,40 34,40 38,40 42,40 102,40 106,40 110,40 114,40 118,40 122,40 154,40 4,44 8,44 12,44 16,44 20,44 24,44 28,44 32,44 36,44 40,44 44,44 48,44 52,44 56,44 64,44 68,44 72,44 76,44 80,44 88,44 92,44 104,44 108,44 112,44 116,44 120,44 124,44 144,44 152,44 10,48 14,48 26,48 30,48 34,48 38,48 42,48 46,48 50,48 54,48 58,48 62,48 66,48 70,48 74,48 102,48 110,48 114,48 118,48 122,48 126,48 130,48 134,48 138,48 142,48 146,48 154,48 12,52 16,52 24,52 28,52 32,52 36,52 40,52 44,52 48,52 52,52 56,52 60,52 64,52 72,52 76,52 84,52 88,52 104,52 108,52 112,52 116,52 120,52 124,52 128,52 132,52 136,52 140,52 144,52
  other v2: 5,2.25 20,2.25 80,2.25 150,2.25 3,3 7,3 18,3 22,3 78,3 82,3 148,3 152,3 2.25,5 7.75,5 17.25,5 22.75,5 77.25,5 82.75,5 147.25,5 152.75,5 3,7 7,7 18,7 22,7 78,7 82,7 148,7 152,7 5,7.75 20,7.75 80,7.75 150,7.75 5,47.25 20,47.25 80,47.25 150,47.25 3,48 7,48 18,48 22,48 78,48 82,48 148,48 152,48 2.25,50 7.75,50 17.25,50 22.75,50 77.25,50 82.75,50 147.25,50 152.75,50 3,52 7,52 18,52 22,52 78,52 82,52 148,52 152,52 5,52.75 20,52.75 80,52.75 150,52.75
I2C1_SDA: J3.3 R102.1 U1.PB7 | length 55.2
  Top Layer w0.3: U1.PB7 48.079,38.123 48.079,36.249 v2(48.133,36.195)
  Bottom Layer w0.3: v2(48.133,36.195) 75.946,36.195 86.193,46.442 90.297,46.442 J3.3
INPUT_ACCU: J4.2 R307.2 | length 14.3
  Top Layer w0.3: R307.2 143.419,33.021 146.446,29.994 150.012,29.994 150.767,30.749 150.767,32.241 149.479,33.528 J4.2
INPUT_REFRI: J4.3 R309.2 | length 15.2
  Top Layer w0.3: R309.2 143.576,29.495 150.219,29.495 151.266,30.542 151.266,34.495 J4.3
ISC1_SCL: J3.2 R101.1 U1.PB6 | length 53.5
  Top Layer w0.3: U1.PB6 49.349,38.231 49.349,39.57 v2(49.403,39.624)
  Bottom Layer w0.3: v2(49.403,39.624) 78.668,39.624 86.542,47.498 95.584,47.498 J3.2 ; R101.1 R101.1@87.213,47.661
"LV tr": F4.2 F5.2 F6.2 F7.2 F8.2 U1.LVtr_2 U1.LVtr_3 U1.LVtr_4 | length 141.8
  Top Layer w0.3: U1.LVtr_2 U1.LVtr_3 U1.LVtr_4 46.755,40.513 46.482,40.24 v2(46.482,40.132) ; F6.2 131.864,16.538 133.373,18.047 133.373,19.337 135.245,21.209 F4.2 ; F7.2 131.861,14.125 132.406,13.58 132.406,13.478 134.94,10.944 135.515,10.944 F8.2 135.89,17.431 139.418,20.959 F4.2 ; v1(132.987,22.479) 132.987,22.533 133.087,22.633 133.087,23.417 133.292,23.622 134.932,23.622 135.313,24.003 F5.2 F4.2
  PWR w0.3: v2(46.482,40.132) 48.768,37.846 56.769,37.846 59.436,35.179 123.698,35.179 132.987,25.89 v1(132.987,22.479)
NetF1_2: F1.2 J1.1 | length 10.5
  Top Layer w0.3: F1.2 142.268,16.058 143.243,15.061 145.725,12.517 ccw(c146.725,13.328) 145.911,12.33 145.917,12.325 146.263,12.041 147.937,12.04 J1.1
NetF2_2: F2.2 J1.2 | length 13.5
  Top Layer w0.3: F2.2 142.268,14.062 142.731,13.599 142.893,13.599 144.951,11.541 149.258,11.541 150.513,12.795 150.513,13.861 149.526,14.847 149.526,15.527 J1.2
NetF3_2: F3.2 J1.3 | length 15.9
  Top Layer w0.3: F3.2 144.736,11.049 144.744,11.041 149.465,11.041 151.012,12.588 151.012,14.068 150.513,14.568 150.513,17.04 J1.3
NetF4_1: F4.1 J1.11 | length 5.3
  Top Layer w0.3: F4.1 144.606,21.209 J1.11
NetF5_1: F5.1 J1.12 | length 5.2
  Top Layer w0.3: F5.1 144.9,24.003 J1.12
NetF6_1: F6.1 J2.7 | length 10
  Top Layer w0.3: J2.7 125.363,5.951 125.966,5.951 128.905,8.89 F6.1
NetF7_1: F7.1 J2.8 | length 13.5
  Top Layer w0.3: J2.8 123.85,4.362 126.409,4.362 131.287,9.24 131.287,10.863 F7.1
NetF8_1: F8.1 J2.9 | length 18.2
  Top Layer w0.3: J2.9 121.849,3.862 131.784,3.862 135.64,7.719 F8.1
OUTPUT_ACCU: J4.7 Q301.D R302.2 | length 24
  Top Layer w0.3: Q301.D@130.967,27.686 130.967,29.685 136.806,35.524 R302.2 138.316,35.524 139.327,36.535 143.427,36.535 145.408,34.554 145.408,32.853 J4.7
OUTPUT_PUMPS: J4.8 Q302.D R306.2 | length 20.5
  Top Layer w0.3: R306.2@134.139,40.64 R306.2 134.339,40.64 137.22,43.521 137.6,43.521 Q302.D 139.51,43.688 139.785,43.413 141.292,43.413 141.592,43.113 141.592,39.169 J4.8
OUTPUT_REFRI: J4.9 Q303.D R304.2 | length 40.9
  Top Layer w0.3: Q303.D 131.138,33.909 136.726,39.497 v2(140.081,39.497) ; R304.2 133.021,43.017 134.367,44.363 139.542,44.363 139.942,43.963 141.449,43.963 142.139,43.272 142.139,41.122 J4.9
  PWR w0.3: v2(140.081,39.497) 143.764,39.497 J4.9
PA0: C210.1 R219.2 R220.1 U1.PA0 | length 85.6
  Top Layer w0.3: U1.PA0 36.991,23.222 37.484,22.729 37.896,22.729 v2(37.973,22.652) ; v2(82.444,9.398) 98.008,9.398 R220.1 107.086,18.476 C210.1 109.42,18.476 109.953,17.943 R219.2
  Bottom Layer w0.3: v2(37.973,22.652) 37.973,22.606 39.243,21.336 39.243,20.32 50.165,9.398 v2(82.444,9.398)
PA5: J3.7 U1.PA5 | length 78.4
  Top Layer w0.2: U1.PA5 43.094,16.872 64.676,38.454 78.828,38.454 93.054,52.68 98.29,52.68 J3.7
PA6: J3.8 U1.PA6 | length 87.5
  Top Layer w0.2: U1.PA6 32.881,18.412 33.51,18.412 33.513,18.415 v2(34.163,18.415)
  Bottom Layer w0.2: v2(34.163,18.415) 34.144,18.434 33.89,18.434 32.893,19.431 32.893,24.257 43.376,34.74 75.127,34.74 83.067,42.68 97.516,42.68 98.29,43.454 98.29,47.704 J3.8
PA7: J3.9 U1.PA7 | length 88
  Top Layer w0.2: U1.PA7 32.757,17.018 v2(34.29,17.018)
  Bottom Layer w0.2: v2(34.29,17.018) 34.813,17.541 34.813,20.379 34.094,21.098 34.094,23.935 44.322,34.163 75.116,34.163 81.133,40.18 97.516,40.18 98.284,40.948 98.284,41.948 99.028,42.692 100.028,42.692 100.766,43.429 100.766,45.204 J3.9
PA8: Q302.G R305.2 U1.PA8 | length 85
  Top Layer w0.3: U1.PA8 63.091,32.112 63.811,32.832 63.811,34.518 64.895,35.602 117.213,35.602 119.196,33.619 R305.2 124.56,33.619 125.81,34.869 126.648,34.869 129.807,38.028 133.372,38.028 138.082,42.738 Q302.G
PB1: C204.1 R207.1 R208.2 U1.PB1 | length 109.4
  Top Layer w0.3: U1.PB1 42.672,10.173 42.672,11.684 54.991,24.003 58.736,24.003 v2(59.817,25.084)
  Bottom Layer w0.3: v2(59.817,25.084) 135.197,25.084 C204.1@137.221,23.06 ; C204.1 C204.1@137.221,23.06 ; R208.2 R208.2@139.537,24.538 ; R207.1 140.172,23.903 R208.2@139.537,24.538 ; C204.1@137.221,23.06 137.521,23.36 138.259,23.36 139.012,24.113 139.112,24.113 R208.2@139.537,24.538
PB2: C205.1 R209.2 R210.1 U1.PB2 | length 118
  Top Layer w0.3: U1.PB2 43.846,11.461 47.117,14.732 93.472,14.732 107.188,28.448 119.123,28.448 119.449,28.774 121.124,28.774 125.641,24.257 127.892,24.257 128.533,23.616 128.533,19.757 R209.2@125.068,16.292 ; R209.2 R209.2@125.068,16.292 ; C205.1 134.173,15.306 134.222,15.257 134.222,15.157 R210.1@134.266,15.113 ; R210.1 134.647,14.732 R210.1@134.266,15.113 ; R209.2@125.068,16.292 126.583,16.292 127.762,15.113 R210.1@134.266,15.113
PC1: C203.1 R205.1 R206.2 U1.PC1 | length 107.8
  Top Layer w0.3: U1.PC1 36.991,27.032 38.831,25.192 41.076,25.192 v2(41.77,24.498)
  Bottom Layer w0.3: v2(41.77,24.498) 59.413,24.498 59.527,24.384 82.738,24.384 82.795,24.441 124.308,24.441 126.384,22.365 131.305,22.365 131.69,21.98 132.51,21.98 132.611,21.879 132.816,21.879 133.64,21.055 R206.2 135.516,20.955 137.221,19.25 C203.1 137.221,18.85 138.545,17.526 R205.1
PC2: C202.1 R203.1 R204.2 U1.PC2 | length 111.7
  Top Layer w0.3: U1.PC2 36.991,25.762 38.242,24.511 40.767,24.511 v2(42.037,23.241)
  Bottom Layer w0.3: v2(42.037,23.241) 124.801,23.241 134.231,13.811 134.231,13.125 R204.2 135.081,13.125 135.081,13.469 C202.1@137.16,15.548 ; C202.1 C202.1@137.16,15.548 ; R203.1 138.992,13.716 C202.1@137.16,15.548
PC3: C201.1 R201.1 R202.2 U1.PC3 | length 114.7
  Top Layer w0.3: U1.PC3 36.991,24.492 37.579,23.904 38.013,23.904 v2(38.089,23.828)
  Bottom Layer w0.3: v2(38.089,23.828) 38.089,23.72 38.6,23.209 38.6,22.995 50.546,11.049 135.135,11.049 C201.1@137.094,9.09 ; C201.1 C201.1@137.094,9.09 ; R202.2 140.299,6.532 R201.1 138.164,10.16 C201.1@137.094,9.09
PC6: C305.1 R309.1 R310.2 U1.PC6 | length 92.4
  Top Layer w0.3: U1.PC6 63.862,27.032 v2(64.262,27.432) ; v2(69.088,31.75) 69.165,31.827 69.165,32.081 70.166,33.082 93.061,33.082 93.909,33.93 116.674,33.93 125.459,25.146 131.826,25.146 132.425,24.547 R310.2 134.212,24.547 135.192,25.527 135.768,25.527 136.878,26.637 136.878,31.336 C305.1 136.979,31.435 139.331,29.083 R309.1
  Bottom Layer w0.3: v2(64.262,27.432) 68.503,31.673 69.011,31.673 v2(69.088,31.75)
PC7: Q303.G R303.2 U1.PC7 | length 83.5
  Top Layer w0.3: U1.PC7 63.911,28.302 65.311,29.702 65.311,33.897 65.516,34.102 82.301,34.102 82.621,33.782 v2(82.677,33.782) ; Q303.G 128.288,34.859 129.928,36.499 130.479,36.499 v2(130.556,36.576) ; v2(129.159,39.624) 130.039,39.624 131.218,40.803 R303.2
  Bottom Layer w0.3: v2(82.677,33.782) 83.312,34.417 118.745,34.417 123.952,39.624 v2(129.159,39.624) 130.556,38.227 v2(130.556,36.576)
PD15: C211.1 R221.1 R222.2 U1.PD15 | length 81.9
  Top Layer w0.3: U1.PD15 63.901,25.762 64.174,26.035 v2(64.262,26.035)
  Bottom Layer w0.3: v2(64.262,26.035) 66.436,28.209 136.86,28.209 C211.1 137.36,28.509 138.787,29.936 R222.2 140.054,29.936 140.479,29.511 140.479,29.384 141.823,28.04 R221.1@141.823,27.94
PE7: C206.1 R211.2 R212.1 U1.PE7 | length 101.5
  Top Layer w0.3: U1.PE7 45.116,11.685 47.274,13.843 93.599,13.843 107.181,27.425 117.684,27.425 118.185,26.924 121.089,26.924 122.4,25.613 122.4,22.362 123.233,21.529 C206.1 ; R211.2 122.555,16.002 122.555,17.78 124.333,19.558 C206.1 ; R212.1 127.287,21.267 124.595,21.267 C206.1
PE8: C207.1 R213.2 R214.1 U1.PE8 | length 91.8
  Top Layer w0.3: U1.PE8 46.386,12.248 47.092,12.954 93.726,12.954 107.697,26.925 117.477,26.925 118.403,25.999 R214.1 120.269,22.867 119.7,22.298 C207.1 119.888,21.91 R213.2
PE9: C208.1 R215.2 R216.1 U1.PE9 | length 85.8
  Top Layer w0.3: U1.PE9@47.656,9.597 U1.PE9 47.656,10.557 49.164,12.065 94.869,12.065 109.229,26.425 116.332,26.425 117.257,25.5 R216.1 117.257,21.946 C208.1 117.221,21.778 R215.2
PE10: C209.1 R217.2 R218.1 U1.PE10 | length 76.7
  Top Layer w0.3: U1.PE10 48.926,9.597 49.646,8.877 80.538,8.877 81.948,10.287 96.642,10.287 C209.1 ; C209.1@109.601,23.078 R218.1 ; R218.1@111.973,23.246 R218.1 ; R217.2 114.427,20.892 112.241,23.078 R218.1
S1: J1.7 R201.2 | length 5.9
  Bottom Layer w0.3: R201.2 142.149,10.26 145.217,13.328 J1.7
S2: J1.8 R203.2 | length 5.7
  Bottom Layer w0.3: R203.2 144.613,13.716 J1.8
S3: J1.9 R205.2 | length 5.2
  Bottom Layer w0.3: R205.2 145.565,17.526 146.367,18.328 J1.9
S4: J1.10 R207.2 | length 4.9
  Bottom Layer w0.3: R207.2 142.403,20.828 J1.10
S5: J2.1 R209.1 | length 6.3
  Top Layer w0.3: R209.1 125.062,14.348 J2.1
S6: J2.2 R211.1 | length 5.9
  Top Layer w0.3: R211.1 122.428,8.284 J2.2
S7: J2.3 R213.1 | length 7.1
  Top Layer w0.3: R213.1 120.062,15.03 J2.3
S8: J2.4 R215.1 | length 7.4
  Top Layer w0.3: R215.1 117.221,8.917 117.562,8.576 J2.4
S9: J2.5 R217.1 | length 7.8
  Top Layer w0.3: R217.1@114.527,15.712 114.527,9.111 115.062,8.576 J2.5
S10: J2.6 R219.1 | length 8.3
  Top Layer w0.3: R219.1 111.86,16.093 112.285,15.668 112.285,8.427 J2.6
S11: J1.4 R221.2 | length 13.6
  Bottom Layer w0.3: R221.2@143.673,27.94 143.673,27.84 144.098,27.415 149.459,27.415 150.513,26.361 150.513,22.116 J1.4
pads on no net: J1.MH1 J2.MH1 J3.10 J3.11 J3.12 J3.MH1 J4.4 J4.5 J4.MH1 U1.3V3_1 U1.3V3_2 U1.3V3_3 U1.5V_1 U1.5V_2 U1.5V_3 U1.5V_4 U1.5V_5 U1.CAN1H U1.CAN1L U1.CAN2H U1.CAN2L U1.NC_1 U1.NC_2 U1.NC_3 U1.NC_4 U1.NC_5 U1.NC_6 U1.NC_7 U1.NC_8 U1.NC_9 U1.NC_10 U1.NC_13 U1.PA3 U1.PA4 U1.PA9 U1.PA10 U1.PA15 U1.PB0 U1.PB3 U1.PB4 U1.PB5 U1.PB8 U1.PB9 U1.PB10 U1.PB11 U1.PB15 U1.PC0 U1.PC4 U1.PC5 U1.PC10 U1.PC11 U1.PC12 U1.PC13 U1.PC14 U1.PC15 U1.PD2 U1.PD3 U1.PD4 U1.PD5 U1.PD6 U1.PD7 U1.PD8 U1.PD9 U1.PD10 U1.PD11 U1.PD14 U1.PE0 U1.PE1 U1.PE2 U1.PE3 U1.PE5 U1.PE6 U1.PE11 U1.PE12 U1.PE13 U1.PE14 U1.PE15

## Polygon pours and split planes (outlines as drawn)
+3.3 on PWR "+3.3_L02_P002" (solid, pour order 2): 0,5 0,50 cw(c5,50) 5,55 150,55 cw(c150,50) 155,50 155,5 cw(c150,5) 150,0 5,0 cw(c5,5)
+5 on PWR "+5_L02_P000" (solid, pour order 0): 125.857,45.466 134.366,36.957 134.366,18.161 142.24,18.161 142.621,17.78 143.51,18.669 143.51,29.337 151.765,29.337 152.019,29.083 152.273,29.337 152.273,32.258 149.987,32.258 136.398,45.847 125.857,45.847 125.73,45.72
GND on Top Layer "GND_L01_P001" (solid, pour order 1): 0,5 0,50 cw(c5,50) 5,55 150,55 cw(c150,50) 155,50 155,5 cw(c150,5) 150,0 5,0 cw(c5,5)
GND on GND "GND_L03_P003" (solid, pour order 3): 0,5 0,50 cw(c5,50) 5,55 150,55 cw(c150,50) 155,50 155,5 cw(c150,5) 150,0 5,0 cw(c5,5)
GND on Bottom Layer "GND_L04_P004" (solid, pour order 4): 0,5 0,50 cw(c5,50) 5,55 150,55 cw(c150,50) 155,50 155,5 cw(c150,5) 150,0 5,0 cw(c5,5)

## Silkscreen, mask and mechanical layers (free items; w line width, h text height)
Top Overlay:
  drawing of 40 lines, arcs and shapes, not listed
  text "Shield Area" at 26.418,45.466 h2
  text "Bernat Costa Cesari 2023" at 1.524,41.526 h3 r270
  text "ETR_Rear_ECU" at 4.187,41.526 h3 r270
Mechanical 1:
  the board outline again, w0.1